# Allegro board 8880F5-0826_3.brd (continued)
## Routing (per net, layer and track width the routed paths; a pad name or vN(x,y) marks a point on that pad's centre or on a via; arc(x,y) is an arc through that point) (continued)
17.78,99.87 ; D125.B3 17.78,98.25 ; D125.B3 18.59,99.06 ; 419.1,70.41 D306.B16 ; D306.B16 418.39,71.12 ; D306.B16 419.1,71.83 ; D306.B16 419.81,71.12 ; D306.A5 391.87,63.5 ; D306.A5 391.16,62.79 ; D306.A5 391.16,64.21 ; D306.A5 390.45,63.5 ; D112.B9 402.13,391.16 ; D112.B9 401.32,390.35 ; D112.B9 401.32,391.97 ; D112.B9 400.51,391.16 ; SITE4.G12 333.81,187.93 ; SITE4.G12 333.33,188.41 ; SITE4.G12 333.33,187.45 ; SITE4.G12 332.85,187.93 ; D129.A9 107.49,93.98 ; D129.A9 106.68,94.79 ; D129.A9 106.68,93.17 ; D129.A9 105.87,93.98 ; 192.33,71.12 D318.B14 ; D318.B14 193.75,71.12 ; D318.B14 193.04,71.83 ; D318.B14 193.04,70.41 ; D110.A5 412.29,355.6 ; D110.A5 411.48,356.41 ; D110.A5 411.48,354.79 ; D110.A5 410.67,355.6 ; 104.14,55.07 D131.A8 ; D131.A8 104.14,56.69 ; D131.A8 103.33,55.88 ; D131.A8 104.95,55.88 ; 197.31,76.2 D118.A16 ; D118.A16 198.12,75.39 ; D118.A16 198.93,76.2 ; D118.A16 198.12,77.01 ; 187.96,34.75 D120.A12 ; D120.A12 187.96,36.37 ; D120.A12 188.77,35.56 ; D120.A12 187.15,35.56 ; D104.A9 328.47,33.02 ; D104.A9 326.85,33.02 ; D104.A9 327.66,32.21 ; D104.A9 327.66,33.83 ; 385.27,350.52 D110.B15 ; D110.B15 386.08,351.33 ; D110.B15 386.89,350.52 ; D110.B15 386.08,349.71 ; 47.45,99.06 D125.B15 ; D125.B15 48.26,98.25 ; D125.B15 48.26,99.87 ; D125.B15 49.07,99.06 ; 347.98,409.4 DPS2.C01 ; DPS2.C01 347.98,411.02 ; DPS2.C01 347.17,410.21 ; DPS2.C01 348.79,410.21 ; 393.7,90.73 D305.B6 ; D305.B6 393.7,92.15 ; D305.B6 394.41,91.44 ; D305.B6 392.99,91.44 ; 324.31,327.66 D113.B10 ; D113.B10 325.93,327.66 ; D113.B10 325.12,328.47 ; D113.B10 325.12,326.85 ; D113.A8 331.01,332.74 ; D113.A8 330.2,331.93 ; D113.A8 329.39,332.74 ; D113.A8 330.2,333.55 ; D317.A13 190.5,84.53 ; D317.A13 191.21,83.82 ; D317.A13 190.5,83.11 ; D317.A13 189.79,83.82 ; D301.A12 335.99,86.36 ; D301.A12 334.57,86.36 ; D301.A12 335.28,87.07 ; D301.A12 335.28,85.65 ; 256.54,65.33 D322.A10 ; D322.A10 256.54,66.75 ; D322.A10 257.25,66.04 ; D322.A10 255.83,66.04 ; D115.A4 341.17,373.38 ; D115.A4 340.36,372.57 ; D115.A4 339.55,373.38 ; D115.A4 340.36,374.19 ; 331.43,182.35 SITE4.G15 ; SITE4.G15 331.43,183.31 ; SITE4.G15 330.95,182.83 ; SITE4.G15 331.91,182.83 ; D125.A5 23.67,93.98 ; D125.A5 22.86,93.17 ; D125.A5 22.05,93.98 ; D125.A5 22.86,94.79 ; D305.A7 396.95,83.82 ; D305.A7 396.24,84.53 ; D305.A7 395.53,83.82 ; D305.A7 396.24,83.11 ; 415.75,58.42 D107.B15 ; D107.B15 416.56,57.61 ; D107.B15 417.37,58.42 ; D107.B15 416.56,59.23 ; D103.A6 320.04,56.69 ; D103.A6 320.85,55.88 ; D103.A6 320.04,55.07 ; D103.A6 319.23,55.88 ; D123.A15 270.05,53.34 ; D123.A15 269.24,54.15 ; D123.A15 269.24,52.53 ; D123.A15 268.43,53.34 ; 248.21,88.9 D321.B7 ; D321.B7 249.63,88.9 ; D321.B7 248.92,88.19 ; D321.B7 248.92,89.61 ; 95.71,58.42 D131.B5 ; D131.B5 96.52,59.23 ; D131.B5 97.33,58.42 ; D131.B5 96.52,57.61 ; D130.B11 112.57,78.74 ; D130.B11 111.76,77.93 ; D130.B11 111.76,79.55 ; D130.B11 110.95,78.74 ; 251.46,65.33 D322.A8 ; D322.A8 251.46,66.75 ; D322.A8 252.17,66.04 ; D322.A8 250.75,66.04 ; D110.A9 401.32,356.41 ; D110.A9 402.13,355.6 ; D110.A9 401.32,354.79 ; D110.A9 400.51,355.6 ; D118.B6 172.72,82.09 ; D118.B6 173.53,81.28 ; D118.B6 171.91,81.28 ; D118.B6 172.72,80.47 ; D322.B14 267.41,71.12 ; D322.B14 266.7,71.83 ; D322.B14 265.99,71.12 ; D322.B14 266.7,70.41 ; D109.B8 404.67,327.66 ; D109.B8 403.05,327.66 ; D109.B8 403.86,328.47 ; D109.B8 403.86,326.85 ; D128.A4 21.13,35.56 ; D128.A4 19.51,35.56 ; D128.A4 20.32,34.75 ; D128.A4 20.32,36.37 ; D124.B2 236.22,41.45 ; D124.B2 235.41,40.64 ; D124.B2 237.03,40.64 ; D124.B2 236.22,39.83 ; 383.54,55.07 D107.A2 ; D107.A2 383.54,56.69 ; D107.A2 382.73,55.88 ; D107.A2 384.35,55.88 ; 419.1,75.39 D106.A16 ; D106.A16 419.91,76.2 ; D106.A16 418.29,76.2 ; D106.A16 419.1,77.01 ; 96.52,32.21 D132.A5 ; D132.A5 97.33,33.02 ; D132.A5 96.52,33.83 ; D132.A5 95.71,33.02 ; D109.B4 414.02,328.47 ; D109.B4 413.21,327.66 ; D109.B4 414.83,327.66 ; D109.B4 414.02,326.85 ; 93.17,96.52 D129.A4 ; D129.A4 93.98,95.71 ; D129.A4 93.98,97.33 ; D129.A4 94.79,96.52 ; D111.B8 403.86,369.11 ; D111.B8 404.67,368.3 ; D111.B8 403.05,368.3 ; D111.B8 403.86,367.49 ; D104.A13 337.82,33.83 ; D104.A13 338.63,33.02 ; D104.A13 337.01,33.02 ; D104.A13 337.82,32.21 ; D106.A9 402.13,73.66 ; D106.A9 401.32,72.85 ; D106.A9 400.51,73.66 ; D106.A9 401.32,74.47 ; D231.B11 176.07,370.84 ; D231.B11 174.45,370.84 ; D231.B11 175.26,370.03 ; D231.B11 175.26,371.65 ; D110.B2 419.1,348.79 ; D110.B2 419.91,347.98 ; D110.B2 418.29,347.98 ; D110.B2 419.1,347.17 ; 184.61,78.74 D118.B11 ; D118.B11 185.42,77.93 ; D118.B11 186.23,78.74 ; D118.B11 185.42,79.55 ; D112.A1 422.45,396.24 ; D112.A1 421.64,395.43 ; D112.A1 420.83,396.24 ; D112.A1 421.64,397.05 ; D124.A6 246.38,36.37 ; D124.A6 246.38,34.75 ; D124.A6 247.19,35.56 ; D124.A6 245.57,35.56 ; 252.85,241.33 SITE1.G6 ; SITE1.G6 253.33,241.81 ; SITE1.G6 253.81,241.33 ; SITE1.G6 253.33,240.85 ; 390.35,38.1 D108.B5 ; D108.B5 391.97,38.1 ; D108.B5 391.16,37.29 ; D108.B5 391.16,38.91 ; 396.24,77.93 D106.B7 ; D106.B7 396.24,79.55 ; D106.B7 397.05,78.74 ; D106.B7 395.43,78.74 ; 406.4,329.39 D109.B7 ; D109.B7 405.59,330.2 ; D109.B7 406.4,331.01 ; D109.B7 407.21,330.2 ; 397.97,393.7 D112.A10 ; D112.A10 398.78,392.89 ; D112.A10 398.78,394.51 ; D112.A10 399.59,393.7 ; D113.B3 343.71,330.2 ; D113.B3 342.9,331.01 ; D113.B3 342.09,330.2 ; D113.B3 342.9,329.39 ; D108.B2 383.54,41.45 ; D108.B2 382.73,40.64 ; D108.B2 383.54,39.83 ; D108.B2 384.35,40.64 ; 250.95,246.43 SITE1.G19 ; SITE1.G19 251.43,246.91 ; SITE1.G19 251.43,245.95 ; SITE1.G19 251.91,246.43 ; 248.11,330.2 CSDPS225.C11 ; CSDPS225.C11 248.92,329.39 ; CSDPS225.C11 248.92,331.01 ; CSDPS225.C11 249.73,330.2 ; 19.51,60.96 D127.B4 ; D127.B4 20.32,61.77 ; D127.B4 21.13,60.96 ; D127.B4 20.32,60.15 ; 419.1,60.15 D107.B16 ; D107.B16 419.1,61.77 ; D107.B16 419.91,60.96 ; D107.B16 418.29,60.96 ; 307.34,32.21 D104.A1 ; D104.A1 308.15,33.02 ; D104.A1 306.53,33.02 ; D104.A1 307.34,33.83 ; D104.B9 328.47,38.1 ; D104.B9 326.85,38.1 ; D104.B9 327.66,38.91 ; D104.B9 327.66,37.29 ; 182.17,86.36 D317.A10 ; D317.A10 182.88,85.65 ; D317.A10 183.59,86.36 ; D317.A10 182.88,87.07 ; 161.75,40.64 D120.B2 ; D120.B2 163.37,40.64 ; D120.B2 162.56,39.83 ; D120.B2 162.56,41.45 ; D109.A3 417.37,335.28 ; D109.A3 416.56,336.09 ; D109.A3 415.75,335.28 ; D109.A3 416.56,334.47 ; 187.25,91.44 D317.B12 ; D317.B12 187.96,90.73 ; D317.B12 188.67,91.44 ; D317.B12 187.96,92.15 ; D128.B12 41.45,40.64 ; D128.B12 40.64,41.45 ; D128.B12 39.83,40.64 ; D128.B12 40.64,39.83 ; 408.13,347.98 D110.B6 ; D110.B6 408.94,348.79 ; D110.B6 409.75,347.98 ; D110.B6 408.94,347.17 ; CSDPS429.B4 193.04,343.71 ; CSDPS429.B4 193.85,342.9 ; CSDPS429.B4 192.23,342.9 ; CSDPS429.B4 193.04,342.09 ; 248.21,63.5 D322.A7 ; D322.A7 248.92,64.21 ; D322.A7 248.92,62.79 ; D322.A7 249.63,63.5 ; UNK4U1.4 483.53,185.11 ; UNK4U1.4 482.59,186.05 ; UNK4U1.4 481.65,185.11 ; UNK4U1.4 482.59,184.17 ; 265.89,55.88 D123.A14 ; D123.A14 267.51,55.88 ; D123.A14 266.7,56.69 ; D123.A14 266.7,55.07 ; D106.A7 397.05,73.66 ; D106.A7 396.24,72.85 ; D106.A7 395.43,73.66 ; D106.A7 396.24,74.47 ; 189.69,73.66 D118.A13 ; D118.A13 191.31,73.66 ; D118.A13 190.5,74.47 ; D118.A13 190.5,72.85 ; 317.5,395.43 D116.A13 ; D116.A13 318.31,396.24 ; D116.A13 317.5,397.05 ; D116.A13 316.69,396.24 ; 395.43,350.52 D110.B11 ; D110.B11 396.24,349.71 ; D110.B11 397.05,350.52 ; D110.B11 396.24,351.33 ; D127.B12 40.64,61.77 ; D127.B12 39.83,60.96 ; D127.B12 41.45,60.96 ; D127.B12 40.64,60.15 ; 391.16,395.43 D112.A13 ; D112.A13 391.16,397.05 ; D112.A13 391.97,396.24 ; D112.A13 390.35,396.24 ; D301.B13 337.82,89.61 ; D301.B13 338.53,88.9 ; D301.B13 337.82,88.19 ; D301.B13 337.11,88.9 ; 238.05,63.5 D322.A3 ; D322.A3 238.76,64.21 ; D322.A3 238.76,62.79 ; D322.A3 239.47,63.5 ; D112.B6 408.94,389.43 ; D112.B6 409.75,388.62 ; D112.B6 408.94,387.81 ; D112.B6 408.13,388.62 ; 88.9,55.07 D131.A2 ; D131.A2 88.09,55.88 ; D131.A2 88.9,56.69 ; D131.A2 89.71,55.88 ; 45.72,39.83 D128.B14 ; D128.B14 46.53,40.64 ; D128.B14 45.72,41.45 ; D128.B14 44.91,40.64 ; 161.85,91.44 D317.B2 ; D317.B2 163.27,91.44 ; D317.B2 162.56,90.73 ; D317.B2 162.56,92.15 ; D120.A13 190.5,33.83 ; D120.A13 190.5,32.21 ; D120.A13 191.31,33.02 ; D120.A13 189.69,33.02 ; D301.A14 340.36,87.07 ; D301.A14 340.36,85.65 ; D301.A14 339.65,86.36 ; D301.A14 341.07,86.36 ; 311.61,355.6 D114.A15 ; D114.A15 312.42,354.79 ; D114.A15 313.23,355.6 ; D114.A15 312.42,356.41 ; 329.39,393.7 D116.A8 ; D116.A8 330.2,392.89 ; D116.A8 331.01,393.7 ; D116.A8 330.2,394.51 ; D129.B14 119.38,102.41 ; D129.B14 118.57,101.6 ; D129.B14 119.38,100.79 ; D129.B14 120.19,101.6 ; D102.B12 336.09,81.28 ; D102.B12 334.47,81.28 ; D102.B12 335.28,80.47 ; D102.B12 335.28,82.09 ; 332.74,83.11 D301.A11 ; D301.A11 333.45,83.82 ; D301.A11 332.03,83.82 ; D301.A11 332.74,84.53 ; 320.04,352.25 D114.A12 ; D114.A12 319.23,353.06 ; D114.A12 320.04,353.87 ; D114.A12 320.85,353.06 ; 185.42,88.19 D317.B11 ; D317.B11 186.13,88.9 ; D317.B11 184.71,88.9 ; D317.B11 185.42,89.61 ; CSDPS225.B4 267.51,332.74 ; CSDPS225.B4 265.89,332.74 ; CSDPS225.B4 266.7,331.93 ; CSDPS225.B4 266.7,333.55 ; 241.3,85.65 D321.A4 ; D321.A4 241.3,87.07 ; D321.A4 240.59,86.36 ; D321.A4 242.01,86.36 ; 413.21,76.2 D106.A14 ; D106.A14 414.02,75.39 ; D106.A14 414.83,76.2 ; D106.A14 414.02,77.01 ; D128.B8 30.48,41.45 ; D128.B8 29.67,40.64 ; D128.B8 30.48,39.83 ; D128.B8 31.29,40.64 ; 162.56,85.65 D317.A2 ; D317.A2 161.85,86.36 ; D317.A2 162.56,87.07 ; D317.A2 163.27,86.36 ; D109.A14 388.62,333.55 ; D109.A14 389.43,332.74 ; D109.A14 388.62,331.93 ; D109.A14 387.81,332.74 ; 309.88,331.93 D113.A16 ; D113.A16 310.69,332.74 ; D113.A16 309.07,332.74 ; D113.A16 309.88,333.55 ; D302.A1 308.05,63.5 ; D302.A1 306.63,63.5 ; D302.A1 307.34,62.79 ; D302.A1 307.34,64.21 ; D317.A16 198.12,87.07 ; D317.A16 198.12,85.65 ; D317.A16 197.41,86.36 ; D317.A16 198.83,86.36 ; D322.A15 269.24,64.21 ; D322.A15 269.95,63.5 ; D322.A15 268.53,63.5 ; D322.A15 269.24,62.79 ; 165.1,409.4 DPS8.C15 ; DPS8.C15 165.91,410.21 ; DPS8.C15 164.29,410.21 ; DPS8.C15 165.1,411.02 ; D109.A6 408.94,333.55 ; D109.A6 408.13,332.74 ; D109.A6 408.94,331.93 ; D109.A6 409.75,332.74 ; D125.B6 26.21,101.6 ; D125.B6 25.4,102.41 ; D125.B6 24.59,101.6 ; D125.B6 25.4,100.79 ; 413.21,332.74 D109.A4 ; D109.A4 414.83,332.74 ; D109.A4 414.02,331.93 ; D109.A4 414.02,333.55 ; 175.26,52.53 D119.A7 ; D119.A7 175.26,54.15 ; D119.A7 174.45,53.34 ; D119.A7 176.07,53.34 ; D130.B13 116.84,79.55 ; D130.B13 116.03,78.74 ; D130.B13 116.84,77.93 ; D130.B13 117.65,78.74 ; 311.61,370.84 D115.B15 ; D115.B15 312.42,371.65 ; D115.B15 312.42,370.03 ; D115.B15 313.23,370.84 ; D122.A10 257.35,76.2 ; D122.A10 256.54,75.39 ; D122.A10 255.73,76.2 ; D122.A10 256.54,77.01 ; 165.1,52.53 D119.A3 ; D119.A3 164.29,53.34 ; D119.A3 165.1,54.15 ; D119.A3 165.91,53.34 ; D322.B13 264.87,68.58 ; D322.B13 264.16,67.87 ; D322.B13 264.16,69.29 ; D322.B13 263.45,68.58 ; D120.B9 181.15,38.1 ; D120.B9 179.53,38.1 ; D120.B9 180.34,38.91 ; D120.B9 180.34,37.29 ; D114.A11 323.39,355.6 ; D114.A11 322.58,356.41 ; D114.A11 322.58,354.79 ; D114.A11 321.77,355.6 ; D108.A7 396.24,33.83 ; D108.A7 397.05,33.02 ; D108.A7 395.43,33.02 ; D108.A7 396.24,32.21 ; D102.B13 338.63,78.74 ; D102.B13 337.82,79.55 ; D102.B13 337.82,77.93 ; D102.B13 337.01,78.74 ; D317.A14 193.04,87.07 ; D317.A14 193.75,86.36 ; D317.A14 192.33,86.36 ; D317.A14 193.04,85.65 ; 243.84,32.21 D124.A5 ; D124.A5 243.03,33.02 ; D124.A5 243.84,33.83 ; D124.A5 244.65,33.02 ; 34.75,60.96 D127.B10 ; D127.B10 36.37,60.96 ; D127.B10 35.56,61.77 ; D127.B10 35.56,60.15 ; 169.37,38.1 D120.B5 ; D120.B5 170.99,38.1 ; D120.B5 170.18,37.29 ; D120.B5 170.18,38.91 ; D132.B1 86.36,38.91 ; D132.B1 86.36,37.29 ; D132.B1 87.17,38.1 ; D132.B1 85.55,38.1 ; 193.04,34.75 D120.A14 ; D120.A14 193.85,35.56 ; D120.A14 193.04,36.37 ; D120.A14 192.23,35.56 ; CSDPS425.B12 247.19,342.9 ; CSDPS425.B12 246.38,342.09 ; CSDPS425.B12 246.38,343.71 ; CSDPS425.B12 245.57,342.9 ; 113.49,35.56 D132.A12 ; D132.A12 114.3,36.37 ; D132.A12 114.3,34.75 ; D132.A12 115.11,35.56 ; D118.B7 176.07,78.74 ; D118.B7 175.26,77.93 ; D118.B7 174.45,78.74 ; D118.B7 175.26,79.55 ; CSDPS229.C7 185.42,331.01 ; CSDPS229.C7 184.61,330.2 ; CSDPS229.C7 185.42,329.39 ; CSDPS229.C7 186.23,330.2 ; D116.B12 320.85,388.62 ; D116.B12 320.04,387.81 ; D116.B12 319.23,388.62 ; D116.B12 320.04,389.43 ; 190.5,385.27 D431.A5 ; D431.A5 189.69,386.08 ; D431.A5 191.31,386.08 ; D431.A5 190.5,386.89 ; D131.B15 121.92,59.23 ; D131.B15 121.11,58.42 ; D131.B15 121.92,57.61 ; D131.B15 122.73,58.42 ; 165.1,414.48 DPS8.A15 ; DPS8.A15 165.91,415.29 ; DPS8.A15 164.29,415.29 ; DPS8.A15 165.1,416.1 ; 383.54,80.47 D106.B2 ; D106.B2 384.35,81.28 ; D106.B2 382.73,81.28 ; D106.B2 383.54,82.09 ; 170.18,88.19 D317.B5 ; D317.B5 170.89,88.9 ; D317.B5 169.47,88.9 ; D317.B5 170.18,89.61 ; 386.08,354.79 D110.A15 ; D110.A15 385.27,355.6 ; D110.A15 386.08,356.41 ; D110.A15 386.89,355.6 ; 37.29,53.34 D127.A11 ; D127.A11 38.91,53.34 ; D127.A11 38.1,52.53 ; D127.A11 38.1,54.15 ; D126.A10 36.37,76.2 ; D126.A10 35.56,77.01 ; D126.A10 34.75,76.2 ; D126.A10 35.56,75.39 ; 413.21,393.7 D112.A4 ; D112.A4 414.02,392.89 ; D112.A4 414.83,393.7 ; D112.A4 414.02,394.51 ; CSDPS229.B16 163.37,332.74 ; CSDPS229.B16 162.56,331.93 ; CSDPS229.B16 161.75,332.74 ; CSDPS229.B16 162.56,333.55 ; D318.B6 172.72,71.83 ; D318.B6 172.01,71.12 ; D318.B6 172.72,70.41 ; D318.B6 173.43,71.12 ; D110.A10 398.78,353.87 ; D110.A10 397.97,353.06 ; D110.A10 398.78,352.25 ; D110.A10 399.59,353.06 ; D126.A6 25.4,77.01 ; D126.A6 25.4,75.39 ; D126.A6 26.21,76.2 ; D126.A6 24.59,76.2
  L28_SIGNAL w0.074: 255.73,76.2 D122.A10 ; D122.A10 257.35,76.2 ; D122.A10 256.54,77.01 ; D122.A10 256.54,75.39 ; D112.B12 393.7,389.43 ; D112.B12 394.51,388.62 ; D112.B12 393.7,387.81 ; D112.B12 392.89,388.62 ; D102.A15 343.71,73.66 ; D102.A15 342.09,73.66 ; D102.A15 342.9,74.47 ; D102.A15 342.9,72.85 ; 332.74,334.47 D113.A7 ; D113.A7 333.55,335.28 ; D113.A7 331.93,335.28 ; D113.A7 332.74,336.09 ; 47.45,99.06 D125.B15 ; D125.B15 48.26,99.87 ; D125.B15 49.07,99.06 ; D125.B15 48.26,98.25 ; 192.33,66.04 D318.A14 ; D318.A14 193.04,65.33 ; D318.A14 193.04,66.75 ; D318.A14 193.75,66.04 ; 405.69,83.82 D305.A11 ; D305.A11 406.4,83.11 ; D305.A11 407.11,83.82 ; D305.A11 406.4,84.53 ; D104.A11 333.55,33.02 ; D104.A11 332.74,32.21 ; D104.A11 331.93,33.02 ; D104.A11 332.74,33.83 ; 236.22,65.33 D322.A2 ; D322.A2 236.93,66.04 ; D322.A2 236.22,66.75 ; D322.A2 235.51,66.04 ; UNK3U2.4 98.34,175.46 ; UNK3U2.4 96.46,175.46 ; UNK3U2.4 97.4,176.4 ; UNK3U2.4 97.4,174.52 ; 108.41,76.2 D130.A10 ; D130.A10 109.22,77.01 ; D130.A10 109.22,75.39 ; D130.A10 110.03,76.2 ; D132.A16 124.46,36.37 ; D132.A16 125.27,35.56 ; D132.A16 123.65,35.56 ; D132.A16 124.46,34.75 ; 325.12,392.89 D116.A10 ; D116.A10 325.12,394.51 ; D116.A10 325.93,393.7 ; D116.A10 324.31,393.7 ; 388.62,75.39 D106.A4 ; D106.A4 388.62,77.01 ; D106.A4 389.43,76.2 ; D106.A4 387.81,76.2 ; 314.96,65.33 D302.A4 ; D302.A4 314.25,66.04 ; D302.A4 315.67,66.04 ; D302.A4 314.96,66.75 ; D116.A2 346.25,393.7 ; D116.A2 345.44,392.89 ; D116.A2 344.63,393.7 ; D116.A2 345.44,394.51 ; D115.A14 315.77,373.38 ; D115.A14 314.96,372.57 ; D115.A14 314.96,374.19 ; D115.A14 314.15,373.38 ; D231.B15 165.91,370.84 ; D231.B15 165.1,370.03 ; D231.B15 165.1,371.65 ; D231.B15 164.29,370.84 ; D126.B16 51.61,81.28 ; D126.B16 50.8,82.09 ; D126.B16 50.8,80.47 ; D126.B16 49.99,81.28 ; 330.23,242.35 SITE2.G14 ; SITE2.G14 330.71,242.83 ; SITE2.G14 329.75,242.83 ; SITE2.G14 330.23,243.31 ; D431.A2 198.12,384.35 ; D431.A2 198.93,383.54 ; D431.A2 197.31,383.54 ; D431.A2 198.12,382.73 ; 184.61,78.74 D118.B11 ; D118.B11 186.23,78.74 ; D118.B11 185.42,77.93 ; D118.B11 185.42,79.55 ; D231.B1 201.47,370.84 ; D231.B1 200.66,371.65 ; D231.B1 199.85,370.84 ; D231.B1 200.66,370.03 ; 381,37.29 D108.B1 ; D108.B1 380.19,38.1 ; D108.B1 381.81,38.1 ; D108.B1 381,38.91 ; D302.A16 346.15,66.04 ; D302.A16 345.44,65.33 ; D302.A16 344.73,66.04 ; D302.A16 345.44,66.75 ; 180.34,32.21 D120.A9 ; D120.A9 180.34,33.83 ; D120.A9 181.15,33.02 ; D120.A9 179.53,33.02 ; D102.B16 345.44,82.09 ; D102.B16 345.44,80.47 ; D102.B16 346.25,81.28 ; D102.B16 344.63,81.28 ; D132.B8 104.14,41.45 ; D132.B8 104.14,39.83 ; D132.B8 103.33,40.64 ; D132.B8 104.95,40.64 ; D103.A3 312.42,54.15 ; D103.A3 312.42,52.53 ; D103.A3 311.61,53.34 ; D103.A3 313.23,53.34 ; D108.B10 404.67,40.64 ; D108.B10 403.05,40.64 ; D108.B10 403.86,41.45 ; D108.B10 403.86,39.83 ; 172.72,75.39 D118.A6 ; D118.A6 171.91,76.2 ; D118.A6 173.53,76.2 ; D118.A6 172.72,77.01 ; D108.B3 386.89,38.1 ; D108.B3 386.08,38.91 ; D108.B3 386.08,37.29 ; D108.B3 385.27,38.1 ; 342.9,37.29 D104.B15 ; D104.B15 342.09,38.1 ; D104.B15 342.9,38.91 ; D104.B15 343.71,38.1 ; D119.A2 163.37,55.88 ; D119.A2 162.56,56.69 ; D119.A2 162.56,55.07 ; D119.A2 161.75,55.88 ; DPS8.A11 175.26,416.1 ; DPS8.A11 174.45,415.29 ; DPS8.A11 175.26,414.48 ; DPS8.A11 176.07,415.29 ; D127.A10 35.56,56.69 ; D127.A10 36.37,55.88 ; D127.A10 35.56,55.07 ; D127.A10 34.75,55.88 ; D302.A12 335.99,66.04 ; D302.A12 335.28,65.33 ; D302.A12 335.28,66.75 ; D302.A12 334.57,66.04 ; 391.16,349.71 D110.B13 ; D110.B13 391.97,350.52 ; D110.B13 390.35,350.52 ; D110.B13 391.16,351.33 ; D113.B9 328.47,330.2 ; D113.B9 327.66,329.39 ; D113.B9 327.66,331.01 ; D113.B9 326.85,330.2 ; D132.B2 89.71,40.64 ; D132.B2 88.9,39.83 ; D132.B2 88.9,41.45 ; D132.B2 88.09,40.64 ; 90.63,33.02 D132.A3 ; D132.A3 92.25,33.02 ; D132.A3 91.44,32.21 ; D132.A3 91.44,33.83 ; 382.73,347.98 D110.B16 ; D110.B16 384.35,347.98 ; D110.B16 383.54,347.17 ; D110.B16 383.54,348.79 ; 411.48,395.43 D112.A5 ; D112.A5 410.67,396.24 ; D112.A5 411.48,397.05 ; D112.A5 412.29,396.24 ; D126.A11 38.1,74.47 ; D126.A11 38.1,72.85 ; D126.A11 37.29,73.66 ; D126.A11 38.91,73.66 ; D127.A9 33.02,54.15 ; D127.A9 33.83,53.34 ; D127.A9 33.02,52.53 ; D127.A9 32.21,53.34 ; 387.81,353.06 D110.A14 ; D110.A14 389.43,353.06 ; D110.A14 388.62,353.87 ; D110.A14 388.62,352.25 ; 395.53,88.9 D305.B7 ; D305.B7 396.24,89.61 ; D305.B7 396.24,88.19 ; D305.B7 396.95,88.9 ; 391.16,77.93 D106.B5 ; D106.B5 391.97,78.74 ; D106.B5 390.35,78.74 ; D106.B5 391.16,79.55 ; D127.B9 33.83,58.42 ; D127.B9 32.21,58.42 ; D127.B9 33.02,57.61 ; D127.B9 33.02,59.23 ; 17.78,57.61 D127.B3 ; D127.B3 16.97,58.42 ; D127.B3 18.59,58.42 ; D127.B3 17.78,59.23 ; 414.02,70.41 D306.B14 ; D306.B14 414.73,71.12 ; D306.B14 414.02,71.83 ; D306.B14 413.31,71.12 ; D302.B13 337.82,69.29 ; D302.B13 338.53,68.58 ; D302.B13 337.82,67.87 ; D302.B13 337.11,68.58 ; D118.A10 183.69,76.2 ; D118.A10 182.88,75.39 ; D118.A10 182.88,77.01 ; D118.A10 182.07,76.2 ; 106.68,77.93 D130.B9 ; D130.B9 107.49,78.74 ; D130.B9 105.87,78.74 ; D130.B9 106.68,79.55 ; D125.A10 35.56,97.33 ; D125.A10 34.75,96.52 ; D125.A10 35.56,95.71 ; D125.A10 36.37,96.52 ; 337.01,391.16 D116.B5 ; D116.B5 337.82,390.35 ; D116.B5 337.82,391.97 ; D116.B5 338.63,391.16 ; 108.41,55.88 D131.A10 ; D131.A10 110.03,55.88 ; D131.A10 109.22,55.07 ; D131.A10 109.22,56.69 ; 249.75,246.43 SITE1.G18 ; SITE1.G18 250.23,246.91 ; SITE1.G18 250.23,245.95 ; SITE1.G18 250.71,246.43 ; 182.07,373.38 D231.A8 ; D231.A8 182.88,372.57 ; D231.A8 183.69,373.38 ; D231.A8 182.88,374.19 ; 415.75,19.05 DPS1.C15 ; DPS1.C15 416.56,18.24 ; DPS1.C15 417.37,19.05 ; DPS1.C15 416.56,19.86 ; 316.69,330.2 D113.B13 ; D113.B13 317.5,329.39 ; D113.B13 318.31,330.2 ; D113.B13 317.5,331.01 ; CSDPS429.B6 187.96,343.71 ; CSDPS429.B6 188.77,342.9 ; CSDPS429.B6 187.96,342.09 ; CSDPS429.B6 187.15,342.9 ; 418.29,388.62 D112.B2 ; D112.B2 419.1,389.43 ; D112.B2 419.91,388.62 ; D112.B2 419.1,387.81 ; D123.A11 259.08,54.15 ; D123.A11 259.08,52.53 ; D123.A11 259.89,53.34 ; D123.A11 258.27,53.34 ; D107.B4 388.62,61.77 ; D107.B4 389.43,60.96 ; D107.B4 387.81,60.96 ; D107.B4 388.62,60.15 ; D318.A8 177.8,66.75 ; D318.A8 177.09,66.04 ; D318.A8 177.8,65.33 ; D318.A8 178.51,66.04 ; D108.A14 414.02,36.37 ; D108.A14 414.83,35.56 ; D108.A14 413.21,35.56 ; D108.A14 414.02,34.75 ; 182.88,39.83 D120.B10 ; D120.B10 182.07,40.64 ; D120.B10 183.69,40.64 ; D120.B10 182.88,41.45 ; 240.49,81.28 D122.B4 ; D122.B4 241.3,80.47 ; D122.B4 242.11,81.28 ; D122.B4 241.3,82.09 ; D321.B11 259.79,88.9 ; D321.B11 259.08,89.61 ; D321.B11 258.37,88.9 ; D321.B11 259.08,88.19 ; D301.A7 322.58,84.53 ; D301.A7 322.58,83.11 ; D301.A7 323.29,83.82 ; D301.A7 321.87,83.82 ; SITE1.G9 250.33,248.41 ; SITE1.G9 249.85,247.93 ; SITE1.G9 250.81,247.93 ; SITE1.G9 250.33,247.45 ; D116.A9 328.47,396.24 ; D116.A9 327.66,397.05 ; D116.A9 326.85,396.24 ; D116.A9 327.66,395.43 ; 174.45,410.21 DPS8.C11 ; DPS8.C11 176.07,410.21 ; DPS8.C11 175.26,409.4 ; DPS8.C11 175.26,411.02 ; 329.03,242.35 SITE2.G13 ; SITE2.G13 329.03,243.31 ; SITE2.G13 329.51,242.83 ; SITE2.G13 328.55,242.83 ; D114.A2 346.25,353.06 ; D114.A2 344.63,353.06 ; D114.A2 345.44,352.25 ; D114.A2 345.44,353.87 ; D116.B7 332.74,391.97 ; D116.B7 332.74,390.35 ; D116.B7 331.93,391.16 ; D116.B7 333.55,391.16 ; 243.84,88.19 D321.B5 ; D321.B5 244.55,88.9 ; D321.B5 243.84,89.61 ; D321.B5 243.13,88.9 ; D115.A12 320.85,373.38 ; D115.A12 320.04,372.57 ; D115.A12 319.23,373.38 ; D115.A12 320.04,374.19 ; 518.92,202.51 S4_I2C.4 ; S4_I2C.4 518.92,204.39 ; S4_I2C.4 519.86,203.45 ; S4_I2C.4 517.98,203.45 ; D115.A16 309.88,374.19 ; D115.A16 309.07,373.38 ; D115.A16 309.88,372.57 ; D115.A16 310.69,373.38 ; D127.B7 27.94,59.23 ; D127.B7 27.94,57.61 ; D127.B7 28.75,58.42 ; D127.B7 27.13,58.42 ; D114.B5 337.82,351.33 ; D114.B5 338.63,350.52 ; D114.B5 337.82,349.71 ; D114.B5 337.01,350.52 ; D115.A15 313.23,375.92 ; D115.A15 312.42,376.73 ; D115.A15 312.42,375.11 ; D115.A15 311.61,375.92 ; D106.A3 386.89,73.66 ; D106.A3 386.08,74.47 ; D106.A3 386.08,72.85 ; D106.A3 385.27,73.66 ; D108.A6 394.51,35.56 ; D108.A6 393.7,34.75 ; D108.A6 392.89,35.56 ; D108.A6 393.7,36.37 ; 392.89,76.2 D106.A6 ; D106.A6 393.7,77.01 ; D106.A6 394.51,76.2 ; D106.A6 393.7,75.39 ; 179.53,381 D431.B9 ; D431.B9 180.34,380.19 ; D431.B9 180.34,381.81 ; D431.B9 181.15,381 ; D120.B4 167.64,41.45 ; D120.B4 167.64,39.83 ; D120.B4 168.45,40.64 ; D120.B4 166.83,40.64 ; 314.96,326.85 D113.B14 ; D113.B14 315.77,327.66 ; D113.B14 314.96,328.47 ; D113.B14 314.15,327.66 ; 392.99,71.12 D306.B6 ; D306.B6 393.7,70.41 ; D306.B6 394.41,71.12 ; D306.B6 393.7,71.83 ; 252.15,186.43 SITE3.G20 ; SITE3.G20 253.11,186.43 ; SITE3.G20 252.63,186.91 ; SITE3.G20 252.63,185.95 ; D107.B10 404.67,60.96 ; D107.B10 403.86,61.77 ; D107.B10 403.86,60.15 ; D107.B10 403.05,60.96 ; 337.82,370.03 D115.B5 ; D115.B5 337.82,371.65 ; D115.B5 338.63,370.84 ; D115.B5 337.01,370.84 ; 113.49,81.28 D130.B12 ; D130.B12 114.3,82.09 ; D130.B12 114.3,80.47 ; D130.B12 115.11,81.28 ; D116.B6 335.28,389.43 ; D116.B6 336.09,388.62 ; D116.B6 334.47,388.62 ; D116.B6 335.28,387.81 ; D118.B3 165.91,78.74 ; D118.B3 164.29,78.74 ; D118.B3 165.1,79.55 ; D118.B3 165.1,77.93 ; D122.B5 244.65,78.74 ; D122.B5 243.03,78.74 ; D122.B5 243.84,79.55 ; D122.B5 243.84,77.93 ; D111.B6 408.94,369.11 ; D111.B6 409.75,368.3 ; D111.B6 408.94,367.49 ; D111.B6 408.13,368.3 ; D123.A9 254,54.15 ; D123.A9 253.19,53.34 ; D123.A9 254,52.53 ; D123.A9 254.81,53.34 ; 403.86,70.41 D306.B10 ; D306.B10 403.86,71.83 ; D306.B10 404.57,71.12 ; D306.B10 403.15,71.12 ; D125.B13 43.18,99.87 ; D125.B13 42.37,99.06 ; D125.B13 43.99,99.06 ; D125.B13 43.18,98.25 ; 263.35,58.42 D123.B13 ; D123.B13 264.97,58.42 ; D123.B13 264.16,59.23 ; D123.B13 264.16,57.61 ; D322.B8 251.46,71.83 ; D322.B8 250.75,71.12 ; D322.B8 252.17,71.12 ; D322.B8 251.46,70.41 ; D110.B12 394.51,347.98 ; D110.B12 393.7,348.79 ; D110.B12 392.89,347.98 ; D110.B12 393.7,347.17 ; 258.27,38.1 D124.B11 ; D124.B11 259.08,38.91 ; D124.B11 259.89,38.1 ; D124.B11 259.08,37.29 ; D231.A5 190.5,376.73 ; D231.A5 190.5,375.11 ; D231.A5 191.31,375.92 ; D231.A5 189.69,375.92 ; 325.12,352.25 D114.A10 ; D114.A10 324.31,353.06 ; D114.A10 325.93,353.06 ; D114.A10 325.12,353.87 ; D128.A8 30.48,36.37 ; D128.A8 30.48,34.75 ; D128.A8 29.67,35.56 ; D128.A8 31.29,35.56 ; 410.77,68.58 D306.B13 ; D306.B13 411.48,69.29 ; D306.B13 412.19,68.58 ; D306.B13 411.48,67.87 ; 334.47,327.66 D113.B6 ; D113.B6 335.28,328.47 ; D113.B6 335.28,326.85 ; D113.B6 336.09,327.66 ; 171.91,332.74 CSDPS229.B12 ; CSDPS229.B12 173.53,332.74 ; CSDPS229.B12 172.72,331.93 ; CSDPS229.B12 172.72,333.55 ; 253.33,187.45 SITE3.G12 ; SITE3.G12 253.81,187.93 ; SITE3.G12 253.33,188.41 ; SITE3.G12 252.85,187.93 ; 93.98,60.15 D131.B4 ; D131.B4 93.17,60.96 ; D131.B4 94.79,60.96 ; D131.B4 93.98,61.77 ; D108.A11 407.21,33.02 ; D108.A11 406.4,32.21 ; D108.A11 405.59,33.02 ; D108.A11 406.4,33.83 ; D104.B13 338.63,38.1 ; D104.B13 337.01,38.1 ; D104.B13 337.82,38.91 ; D104.B13 337.82,37.29 ; 388.62,80.47 D106.B4 ; D106.B4 388.62,82.09 ; D106.B4 389.43,81.28 ; D106.B4 387.81,81.28 ; CSDPS425.B10 252.27,342.9 ; CSDPS425.B10 250.65,342.9 ; CSDPS425.B10 251.46,343.71 ; CSDPS425.B10 251.46,342.09 ; 198.12,60.15 D119.B16 ; D119.B16 198.93,60.96 ; D119.B16 198.12,61.77 ; D119.B16 197.31,60.96 ; 408.13,393.7 D112.A6 ; D112.A6 408.94,392.89 ; D112.A6 409.75,393.7 ; D112.A6 408.94,394.51 ; D124.A12 262.43,35.56 ; D124.A12 260.81,35.56 ; D124.A12 261.62,36.37 ; D124.A12 261.62,34.75 ; SITE4.G1 328.33,181.81 ; SITE4.G1 328.81,181.33 ; SITE4.G1 328.33,180.85 ; SITE4.G1 327.85,181.33 ; D104.B8 325.12,41.45 ; D104.B8 325.12,39.83 ; D104.B8 325.93,40.64 ; D104.B8 324.31,40.64 ; 172.01,86.36 D317.A6 ; D317.A6 172.72,87.07 ; D317.A6 172.72,85.65 ; D317.A6 173.43,86.36 ; D131.A11 111.76,54.15 ; D131.A11 111.76,52.53 ; D131.A11 112.57,53.34 ; D131.A11 110.95,53.34 ; 345.44,347.17 D114.B2 ; D114.B2 344.63,347.98 ; D114.B2 345.44,348.79 ; D114.B2 346.25,347.98 ; D112.A15 386.08,397.05 ; D112.A15 386.08,395.43 ; D112.A15 386.89,396.24 ; D112.A15 385.27,396.24 ; 233.68,57.61 D123.B1 ; D123.B1 234.49,58.42 ; D123.B1 233.68,59.23 ; D123.B1 232.87,58.42 ; D317.B12 188.67,91.44 ; D317.B12 187.25,91.44 ; D317.B12 187.96,90.73 ; D317.B12 187.96,92.15 ; SITE4.G18 330.71,186.43 ; SITE4.G18 329.75,186.43 ; SITE4.G18 330.23,186.91 ; SITE4.G18 330.23,185.95 ; 93.98,95.71 D129.A4 ; D129.A4 94.79,96.52 ; D129.A4 93.17,96.52 ; D129.A4 93.98,97.33 ; D109.A1 421.64,336.09 ; D109.A1 422.45,335.28 ; D109.A1 421.64,334.47 ; D109.A1 420.83,335.28 ; 245.57,342.9 CSDPS425.B12 ; CSDPS425.B12 247.19,342.9 ; CSDPS425.B12 246.38,342.09 ; CSDPS425.B12 246.38,343.71 ; 253.19,78.74 D122.B9 ; D122.B9 254.81,78.74 ; D122.B9 254,79.55 ; D122.B9 254,77.93 ; D102.A2 310.69,76.2 ; D102.A2 309.07,76.2 ; D102.A2 309.88,75.39 ; D102.A2 309.88,77.01 ; D118.B6 172.72,82.09 ; D118.B6 173.53,81.28 ; D118.B6 171.91,81.28 ; D118.B6 172.72,80.47 ; D115.A7 333.55,375.92 ; D115.A7 332.74,376.73 ; D115.A7 331.93,375.92 ; D115.A7 332.74,375.11 ; D128.A10 36.37,35.56 ; D128.A10 35.56,34.75 ; D128.A10 35.56,36.37 ; D128.A10 34.75,35.56 ; D306.B15 417.27,68.58 ; D306.B15 416.56,67.87 ; D306.B15 416.56,69.29 ; D306.B15 415.85,68.58 ; 29.67,101.6 D125.B8 ; D125.B8 30.48,100.79 ; D125.B8 30.48,102.41 ; D125.B8 31.29,101.6 ; 413.21,60.96 D107.B14 ; D107.B14 414.02,61.77 ; D107.B14 414.83,60.96 ; D107.B14 414.02,60.15 ; SITE3.G5 252.33,181.81 ; SITE3.G5 251.85,181.33 ; SITE3.G5 252.81,181.33 ; SITE3.G5 252.33,180.85 ; D120.B13 190.5,38.91 ; D120.B13 189.69,38.1 ; D120.B13 191.31,38.1 ; D120.B13 190.5,37.29 ; D110.A8 404.67,353.06 ; D110.A8 403.05,353.06 ; D110.A8 403.86,353.87 ; D110.A8 403.86,352.25 ; 195.58,83.11 D317.A15 ; D317.A15 196.29,83.82 ; D317.A15 194.87,83.82 ; D317.A15 195.58,84.53 ; 159.31,68.58 D318.B1 ; D318.B1 160.73,68.58 ; D318.B1 160.02,67.87 ; D318.B1 160.02,69.29 ; D431.A3 196.39,386.08 ; D431.A3 195.58,385.27 ; D431.A3 194.77,386.08 ; D431.A3 195.58,386.89 ; 326.85,375.92 D115.A9 ; D115.A9 328.47,375.92 ; D115.A9 327.66,375.11 ; D115.A9 327.66,376.73 ; 408.23,91.44 D305.B12 ; D305.B12 408.94,90.73 ; D305.B12 409.65,91.44 ; D305.B12 408.94,92.15 ; D118.B7 175.26,79.55 ; D118.B7 175.26,77.93 ; D118.B7 174.45,78.74 ; D118.B7 176.07,78.74 ; D128.B15 48.26,38.91 ; D128.B15 48.26,37.29 ; D128.B15 47.45,38.1 ; D128.B15 49.07,38.1 ; D301.B15 343.61,88.9 ; D301.B15 342.9,88.19 ; D301.B15 342.19,88.9 ; D301.B15 342.9,89.61 ; 160.02,77.93 D118.B1 ; D118.B1 160.83,78.74 ; D118.B1 160.02,79.55 ; D118.B1 159.21,78.74 ; 249.33,180.85 SITE3.G2 ; SITE3.G2 249.81,181.33 ; SITE3.G2 248.85,181.33 ; SITE3.G2 249.33,181.81 ; 185.42,57.61 D119.B11 ; D119.B11 185.42,59.23 ; D119.B11 184.61,58.42 ; D119.B11 186.23,58.42 ; 316.69,350.52 D114.B13 ; D114.B13 318.31,350.52 ; D114.B13 317.5,349.71 ; D114.B13 317.5,351.33 ; D109.B11 396.24,331.01 ; D109.B11 395.43,330.2 ; D109.B11 397.05,330.2 ; D109.B11 396.24,329.39 ; D102.A6 320.04,77.01 ; D102.A6 319.23,76.2 ; D102.A6 320.85,76.2 ; D102.A6 320.04,75.39 ; 180.34,72.85 D118.A9 ; D118.A9 179.53,73.66 ; D118.A9 181.15,73.66 ; D118.A9 180.34,74.47 ; D302.B14 340.36,71.83 ; D302.B14 341.07,71.12 ; D302.B14 340.36,70.41 ; D302.B14 339.65,71.12 ; 22.05,99.06 D125.B5 ; D125.B5 22.86,98.25 ; D125.B5 22.86,99.87 ; D125.B5 23.67,99.06 ; DPS8.C05 191.31,410.21 ; DPS8.C05 189.69,410.21 ; DPS8.C05 190.5,411.02 ; DPS8.C05 190.5,409.4 ; D131.B1 87.17,58.42 ; D131.B1 86.36,57.61 ; D131.B1 85.55,58.42 ; D131.B1 86.36,59.23 ; 45.72,55.07 D127.A14 ; D127.A14 46.53,55.88 ; D127.A14 44.91,55.88 ; D127.A14 45.72,56.69 ; D322.B12 261.62,71.83 ; D322.B12 261.62,70.41 ; D322.B12 260.91,71.12 ; D322.B12 262.33,71.12 ; CSDPS429.C11 175.26,341.17 ; CSDPS429.C11 176.07,340.36 ; CSDPS429.C11 175.26,339.55 ; CSDPS429.C11 174.45,340.36 ; D123.A2 236.22,56.69 ; D123.A2 235.41,55.88 ; D123.A2 236.22,55.07 ; D123.A2 237.03,55.88 ; D102.B1 307.34,79.55 ; D102.B1 308.15,78.74 ; D102.B1 306.53,78.74 ; D102.B1 307.34,77.93 ; 248.92,329.39 CSDPS225.C11 ; CSDPS225.C11 248.11,330.2 ; CSDPS225.C11 248.92,331.01 ; CSDPS225.C11 249.73,330.2 ; 32.21,73.66 D126.A9 ; D126.A9 33.02,72.85 ; D126.A9 33.83,73.66 ; D126.A9 33.02,74.47 ; SITE2.G4 331.33,241.81 ; SITE2.G4 331.33,240.85 ; SITE2.G4 331.81,241.33 ; SITE2.G4 330.85,241.33 ; 176.99,332.74 CSDPS229.B10 ; CSDPS229.B10 177.8,331.93 ; CSDPS229.B10 178.61,332.74 ; CSDPS229.B10 177.8,333.55 ; D113.A1 347.98,336.09 ; D113.A1 347.17,335.28 ; D113.A1 347.98,334.47 ; D113.A1 348.79,335.28 ; 27.94,72.85 D126.A7 ; D126.A7 27.13,73.66 ; D126.A7 27.94,74.47 ; D126.A7 28.75,73.66 ; 198.12,372.57 D231.A2 ; D231.A2 198.12,374.19 ; D231.A2 197.31,373.38 ; D231.A2 198.93,373.38 ; D102.B4 314.96,82.09 ; D102.B4 314.96,80.47 ; D102.B4 315.77,81.28 ; D102.B4 314.15,81.28 ; 329.39,76.2 D102.A10 ; D102.A10 331.01,76.2 ; D102.A10 330.2,77.01 ; D102.A10 330.2,75.39 ; 391.16,375.11 D111.A13 ; D111.A13 391.97,375.92 ; D111.A13 391.16,376.73 ; D111.A13 390.35,375.92 ; 406.4,37.29 D108.B11 ; D108.B11 405.59,38.1 ; D108.B11 407.21,38.1 ; D108.B11 406.4,38.91 ; D113.B3 342.9,331.01 ; D113.B3 343.71,330.2 ; D113.B3 342.9,329.39 ; D113.B3 342.09,330.2 ; D103.B4 315.77,60.96 ; D103.B4 314.96,60.15 ; D103.B4 314.15,60.96 ; D103.B4 314.96,61.77 ; D305.A16 419.1,87.07 ; D305.A16 418.39,86.36 ; D305.A16 419.1,85.65 ; D305.A16 419.81,86.36 ; 232.87,73.66 D122.A1 ; D122.A1 233.68,74.47 ; D122.A1 233.68,72.85 ; D122.A1 234.49,73.66 ; 251.85,241.33 SITE1.G5 ; SITE1.G5 252.33,240.85 ; SITE1.G5 252.33,241.81 ; SITE1.G5 252.81,241.33 ; 246.38,39.83 D124.B6 ; D124.B6 247.19,40.64 ; D124.B6 246.38,41.45 ; D124.B6 245.57,40.64 ; 322.58,329.39 D113.B11 ; D113.B11 322.58,331.01 ; D113.B11 323.39,330.2 ; D113.B11 321.77,330.2 ; 193.04,342.09 CSDPS429.B4 ; CSDPS429.B4 193.04,343.71 ; CSDPS429.B4 192.23,342.9 ; CSDPS429.B4 193.85,342.9 ; 253.19,38.1 D124.B9 ; D124.B9 254.81,38.1 ; D124.B9 254,37.29 ; D124.B9 254,38.91 ; 162.56,60.15 D119.B2 ; D119.B2 161.75,60.96 ; D119.B2 162.56,61.77 ; D119.B2 163.37,60.96 ; D126.A1 13.51,73.66 ; D126.A1 11.89,73.66 ; D126.A1 12.7,72.85 ; D126.A1 12.7,74.47 ; SITE3.G18 250.71,186.43 ; SITE3.G18 250.23,186.91 ; SITE3.G18 249.75,186.43 ; SITE3.G18 250.23,185.95 ; 314.96,39.83 D104.B4 ; D104.B4 315.77,40.64 ; D104.B4 314.15,40.64 ; D104.B4 314.96,41.45 ; 410.67,53.34 D107.A13 ; D107.A13 412.29,53.34 ; D107.A13 411.48,54.15 ; D107.A13 411.48,52.53 ; D113.A12 320.85,332.74 ; D113.A12 320.04,331.93 ; D113.A12 319.23,332.74 ; D113.A12 320.04,333.55 ; 192.23,76.2 D118.A14 ; D118.A14 193.04,75.39 ; D118.A14 193.85,76.2 ; D118.A14 193.04,77.01 ; 395.43,396.24 D112.A11 ; D112.A11 397.05,396.24 ; D112.A11 396.24,397.05 ; D112.A11 396.24,395.43 ; D306.A6 394.41,66.04 ; D306.A6 393.7,66.75 ; D306.A6 393.7,65.33 ; D306.A6 392.99,66.04 ; D119.B9 180.34,59.23 ; D119.B9 180.34,57.61 ; D119.B9 181.15,58.42 ; D119.B9 179.53,58.42 ; 347.17,391.16 D116.B1 ; D116.B1 348.79,391.16 ; D116.B1 347.98,390.35 ; D116.B1 347.98,391.97 ; 187.96,55.07 D119.A12 ; D119.A12 188.77,55.88 ; D119.A12 187.96,56.69 ; D119.A12 187.15,55.88 ; D106.A11 407.21,73.66 ; D106.A11 405.59,73.66 ; D106.A11 406.4,72.85 ; D106.A11 406.4,74.47 ; 101.6,32.21 D132.A7 ; D132.A7 101.6,33.83 ; D132.A7 102.41,33.02 ; D132.A7 100.79,33.02 ; D130.A1 86.36,74.47 ; D130.A1 86.36,72.85 ; D130.A1 85.55,73.66 ; D130.A1 87.17,73.66 ; 390.35,396.24 D112.A13 ; D112.A13 391.97,396.24 ; D112.A13 391.16,397.05 ; D112.A13 391.16,395.43 ; 91.44,93.17 D129.A3 ; D129.A3 92.25,93.98 ; D129.A3 90.63,93.98 ; D129.A3 91.44,94.79 ; 246.38,70.41 D322.B6 ; D322.B6 246.38,71.83 ; D322.B6 245.67,71.12 ; D322.B6 247.09,71.12 ; D301.B3 312.42,89.61 ; D301.B3 313.13,88.9 ; D301.B3 312.42,88.19 ; D301.B3 311.71,88.9 ; D114.B10 325.93,347.98 ; D114.B10 325.12,348.79 ; D114.B10 324.31,347.98 ; D114.B10 325.12,347.17 ; 39.83,60.96 D127.B12 ; D127.B12 41.45,60.96 ; D127.B12 40.64,60.15 ; D127.B12 40.64,61.77 ; SITE4.G7 328.81,187.93 ; SITE4.G7 328.33,187.45 ; SITE4.G7 327.85,187.93 ; SITE4.G7 328.33,188.41 ; 246.38,80.47 D122.B6 ; D122.B6 247.19,81.28 